# Altium PCB Booster_Main_Board.PcbDoc (part 3 of 11) (continued)
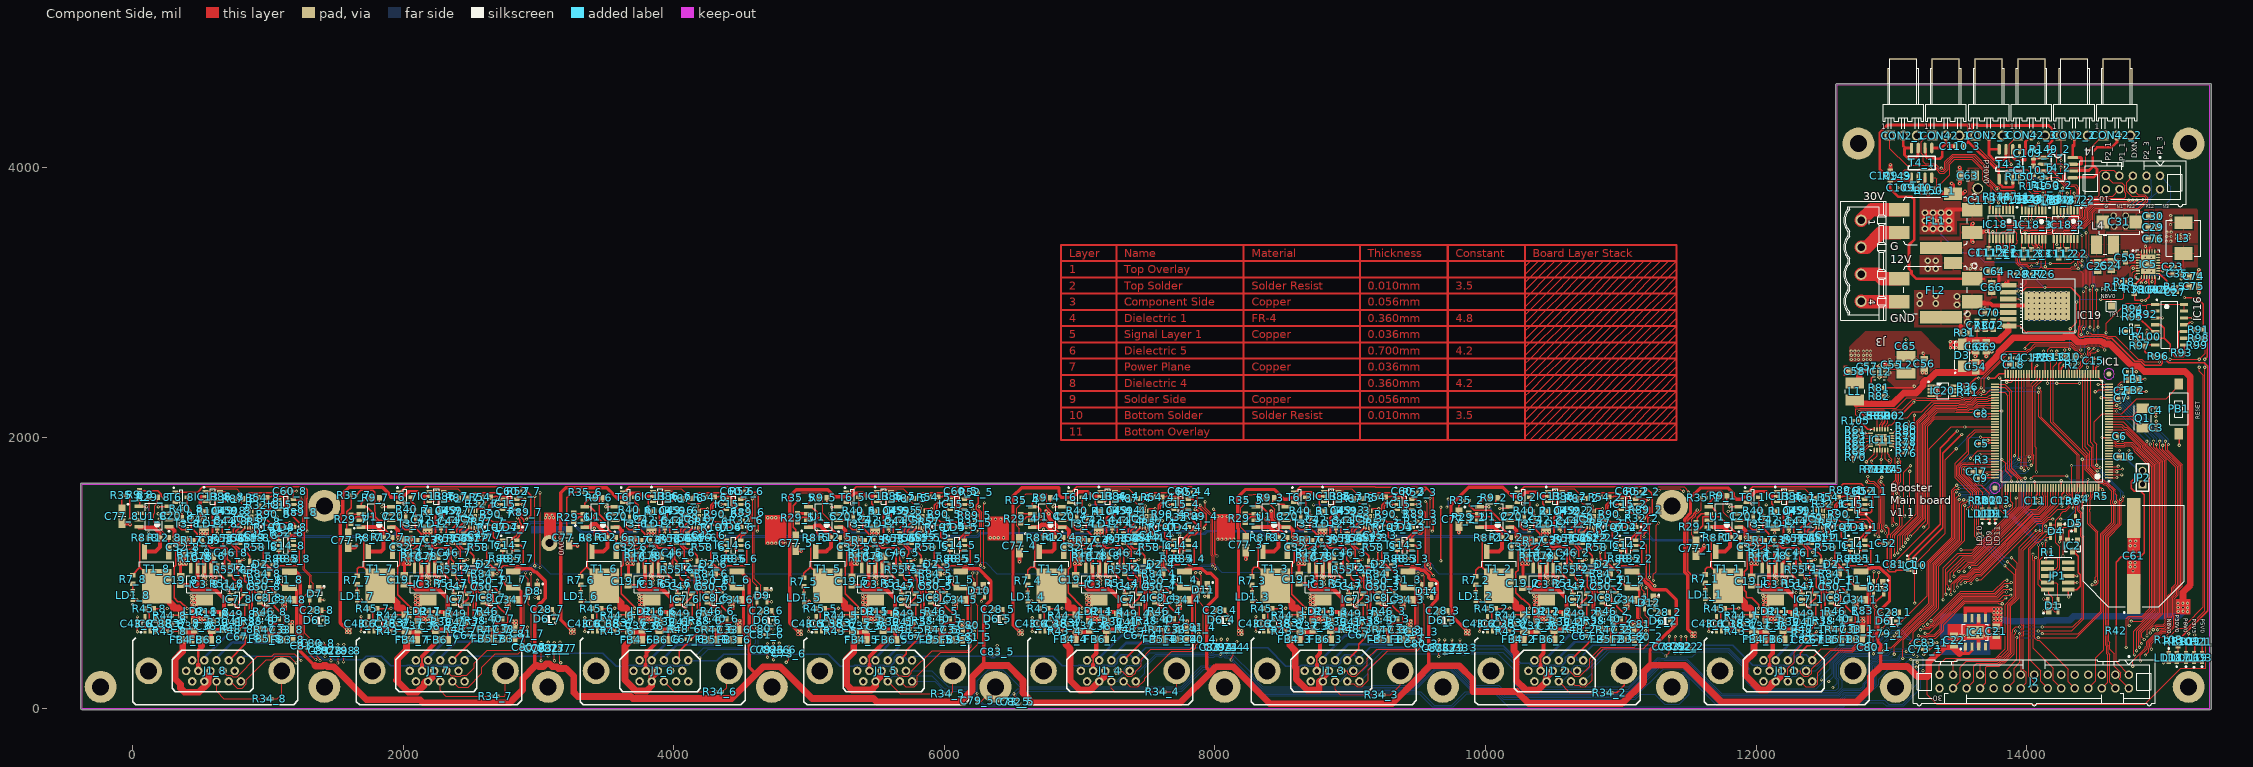
[diagram p0: Component Side view]
## Part data (continued)
LD1_1 LD1_2 LD1_3 LD1_4 LD1_5 LD1_6 LD1_7 LD1_8 LD2_1 LD2_2 LD2_3 LD2_4 LD2_5 LD2_6 LD2_7 LD2_8 LD3 LD12_1 LD12_2 LD12_3 LD12_4 LD12_5 LD12_6 LD12_7 LD12_8 LD16 LD17 LD18: library part LED_KINGBRIGHT_KPH-1608CGCK, "LED Green 1C 2A", Manufacturer=KINGBRIGHT, Manufacturer Part Number=KPH-1608CGCK, Author="CERN DEM JLC", Bonding=No, Color=Green, ComponentHeight=0.65mm, Component Type=Standard, CreateDate=03.07.2017, HelpURL=\\cern.ch\dfs\Applications\Altium\Datasheets\LED_KINGBRIGHT_KPH-1608CGCK.pdf, LatestRevisionDate=03.07.2017, Mounted=Yes, PackageDescription="SMT Green LED, Case 0603, Body L 1.6 x W 0.8mm H 0.65mm", Part Description="SMD Green LED, Case 1.6mmX0.8mm(0603), 0.65mm Thickness", Part Number=LED_KINGBRIGHT_KPH-1608CGCK, Pin Count=2, PressFit=No, Sense=No, SMD=Yes, Socket=No
LD4_1 LD4_2 LD4_3 LD4_4 LD4_5 LD4_6 LD4_7 LD4_8: library part LED_KINGBRIGHT_KPH-1608SURCK, "LED Red 1C 2A", Manufacturer=KINGBRIGHT, Manufacturer Part Number=KPH-1608SURCK, Author="CERN DEM JLC", Bonding=No, Color="Hyper Red", ComponentHeight=0.65mm, Component Type=Standard, CreateDate=03.07.2017, HelpURL=\\cern.ch\dfs\Applications\Altium\Datasheets\LED_KINGBRIGHT_KPH-1608SURCK.pdf, LatestRevisionDate=03.07.2017, Mounted=Yes, PackageDescription="SMT Hyper Red LED, Case 0603, Body L 1.6 x W 0.8mm H 0.65mm", Part Description="SMD Hyper Red LED, Case 1.6mmX0.8mm(0603), 0.65mm Thickness", Part Number=LED_KINGBRIGHT_KPH-1608SURCK, Pin Count=2, PressFit=No, Sense=No, SMD=Yes, Socket=No
LD9 LD10 LD11 LD19: library part "LED_OSRAM_LG L29K-G2J1-24-Z", "LED Green 1C 2A", Case=0603, Manufacturer=OSRAM, Manufacturer Part Number="LG L29K-G2J1-24-Z", Author="CERN DEM JLC", Bonding=No, Color=Green, ComponentHeight=0.67mm, Component Type=Standard, CreateDate=24.04.2012, HelpURL=\\cern.ch\dfs\Applications\Altium\Datasheets\LED_OSRAM_LGL29K.pdf, LatestRevisionDate=24.04.2012, Mounted=Yes, PackageDescription="Green Chip LED, 2-Leads, Body 1.7x0.8mm, IPC Medium Density", Part Description="Surface Mount Green LED (0603 Case)", Part Number="LED_OSRAM_LG L29K-G2J1-24-Z", Pin Count=2, PressFit=No, Sense=No, SMD=Yes, Socket=No
PB1: library part PB_TYCO_FSMSM, "Push-Button Switch SPDT", Manufacturer="TYCO ELECTRONICS", Manufacturer Part Number="FSMSM or 1437566-3", Author="CERN DEM JLC", ComponentHeight=4.3mm, Component Type=Standard, CreateDate=30.06.2008, Family="Push Button", HelpURL=\\cern.ch\dfs\Applications\Altium\Datasheets\PB_TYCO_FSMSM.pdf, LatestRevisionDate=21.06.2012, Mounted=Yes, PackageDescription="Body 3.5x6.0mm, Pushbutton Switch,  TYCO ALCOSWITCH FSMSM Serie", Part Description="12VDC 50mA SPST Tactile  Push-Button Switch", Part Number=PB_TYCO_FSMSM, Pin Count=2, PressFit=No, Sense=No, SMD=Yes, Socket=No, Status=None
Q1: library part XTAL_8MHZ_TXC_7A-8.000MAAE-T, "Quartz Crystal", Manufacturer="TXC CORPORATION", Manufacturer Part Number=7A-8.000MAAE-T, Author="CERN DEM JLC", Bonding=No, ComponentHeight=1.2mm, Component Type=Standard, CreateDate=09.10.2014, HelpURL=\\cern.ch\dfs\Applications\Altium\Datasheets\XTAL_TXC_7A.pdf, LatestRevisionDate=12.11.2014, Mounted=Yes, PackageDescription="2 Pins, 3.2x5mm, SMD Glass Seam Sealing Crystal, 7A Serie", Part Description="Tolerance: ±30ppm, Stability: ±30ppm, -20°C to +70°C, 12pF, SMD Glass Seam Sealing Crystal, 7A Series", Part Number=XTAL_8MHZ_TXC_7A-8.000MAAE-T, Pin Count=2, PressFit=No, Sense=No, SMD=Yes, Socket=No
R1 R2 R3 R4 R6 R11_1 R11_2 R11_3 R11_4 R11_5 R11_6 R11_7 R11_8 R15 R21 R22 R23 R24 R25 R32_1 R32_2 R32_3 R32_4 R32_5 R32_6 R32_7 R32_8 R34_1 R34_2 R34_3 R34_4 R34_5 R34_6 R34_7 R34_8 R36 R40_1 R40_2 R40_3 R40_4 R40_5 R40_6 R40_7 R40_8 R41 R50_1 R50_2 R50_3 R50_4 R50_5 R50_6 R50_7 R50_8 R51_1 R51_2 R51_3 R51_4 R51_5 R51_6 R51_7 R51_8 R52_1 R52_2 R52_3 R52_4 R52_5 R52_6 R52_7 R52_8 R57_1 R57_2 R57_3 R57_4 R57_5 R57_6 R57_7 R57_8 R59_1 R59_2 R59_3 R59_4 R59_5 R59_6 R59_7 R59_8 R85_1 R85_2 R85_3 R85_4 R85_5 R85_6 R85_7 R85_8 R86_1 R86_2 R86_3 R86_4 R86_5 R86_6 R86_7 R86_8 R88_1 R88_2 R88_3 R88_4 R88_5 R88_6 R88_7 R88_8 R89_1 R89_2 R89_3 R89_4 R89_5 R89_6 R89_7 R89_8 R92 R93 R104_1 R104_2 R104_3 R104_4 R104_5 R104_6 R104_7 R104_8 R105 R108 R109 R111 R112 R113 R147_1 R147_2 R147_3 R148_1 R148_2 R148_3 R149_1 R149_2 R149_3 R150_1 R150_2 R150_3: library part R0402_10K_1%_0.0625W_100PPM, "Resistor - 1%", Case=0402, Manufacturer=GENERIC, Manufacturer1 ComponentHeight=0.4mm, Manufacturer1 Example="YAGEO PHYCOMP", Manufacturer1 Part Number=232270671003L, Power=0.0625W, Tolerance=±1%, Author="CERN DEM JLC", Component Type=Standard, HelpURL=\\cern.ch\dfs\Applications\Altium\Datasheets\R0402_Phycomp_RC0402.pdf, Manufacturer Part Number=R0402_10K_1%_0.0625W_100PPM, Mounted=Yes, Part Description="General Purpose Thick Film Chip Resistor", Part Number=R0402_10K_1%_0.0625W_100PPM, Pin Count=2, SMD=Yes, Socket=No, TC=±100ppm/°C
  R1 R2 R3 R4 R6 R11_1 R11_2 R11_3 R11_4 R11_5 R11_6 R11_7 R11_8 R21 R22 R23 R24 R25 R32_1 R32_2 R32_3 R32_4 R32_5 R32_6 R32_7 R32_8 R34_1 R34_2 R34_3 R34_4 R34_5 R34_6 R34_7 R34_8 R36 R40_1 R40_2 R40_3 R40_4 R40_5 R40_6 R40_7 R40_8 R41 R50_1 R50_2 R50_3 R50_4 R50_5 R50_6 R50_7 R50_8 R51_1 R51_2 R51_3 R51_4 R51_5 R51_6 R51_7 R51_8 R52_1 R52_2 R52_3 R52_4 R52_5 R52_6 R52_7 R52_8 R57_1 R57_2 R57_3 R57_4 R57_5 R57_6 R57_7 R57_8 R59_1 R59_2 R59_3 R59_4 R59_5 R59_6 R59_7 R59_8 R85_1 R85_2 R85_3 R85_4 R85_5 R85_6 R85_7 R85_8 R86_1 R86_2 R86_3 R86_4 R86_5 R86_6 R86_7 R86_8 R88_1 R88_2 R88_3 R88_4 R88_5 R88_6 R88_7 R88_8 R89_1 R89_2 R89_3 R89_4 R89_5 R89_6 R89_7 R89_8 R92 R93 R104_1 R104_2 R104_3 R104_4 R104_5 R104_6 R104_7 R104_8 R105 R108 R109 R112 R113 R147_1 R147_2 R147_3 R148_1 R148_2 R148_3 R149_1 R149_2 R149_3 R150_1 R150_2 R150_3: CreateDate=2007-12-03, LatestRevisionDate=2012-10-17, Status="Not recommended", Table="Resistors SMD"
  R15: CreateDate=03.12.2007, LatestRevisionDate=17.10.2012, Sense=No, Status="Not recommended"
  R111: CreateDate=03.12.2007, LatestRevisionDate=17.10.2012, PressFit=No, Sense=No, Status="Not Recommended"
R5 R42: library part R0402_49R9_1%_0.0625W_100PPM, "Resistor - 1%", Case=0402, Manufacturer=GENERIC, Manufacturer1 ComponentHeight=0.4mm, Manufacturer1 Example="YAGEO PHYCOMP", Manufacturer1 Part Number="232270674999L or RC0402FR-0749R9L", Power=0.0625W, Tolerance=±1%, Author="CERN DEM JLC", Component Type=Standard, CreateDate=2012-10-24, HelpURL=\\cern.ch\dfs\Applications\Altium\Datasheets\R0402_Phycomp_RC0402.pdf, LatestRevisionDate=2012-10-24, Manufacturer Part Number=R0402_49R9_1%_0.0625W_100PPM, Mounted=Yes, Part Description="General Purpose Thick Film Chip Resistor", Part Number=R0402_49R9_1%_0.0625W_100PPM, Pin Count=2, SMD=Yes, Socket=No, Status="Not recommended", Table="Resistors SMD", TC=±100ppm/°C
R7_1 R7_2 R7_3 R7_4 R7_5 R7_6 R7_7 R7_8 R12_1 R12_2 R12_3 R12_4 R12_5 R12_6 R12_7 R12_8 R17_1 R17_2 R17_3 R17_4 R17_5 R17_6 R17_7 R17_8 R91 R110: library part R0603_56K_1%_0.1W_100PPM, "Resistor - 1%", Case=0603, Manufacturer=GENERIC, Manufacturer1 ComponentHeight=0.55mm, Manufacturer1 Example="NIC COMPONENT", Manufacturer1 Part Number=NRC06F5602TRF, Power=0.1W, Tolerance=±1%, Author="CERN DEM JLC", Component Type=Standard, CreateDate=03.12.2007, HelpURL=\\cern.ch\dfs\Applications\Altium\Datasheets\R0603_NIC_NRC.pdf, LatestRevisionDate=13.03.2008, Manufacturer Part Number=R0603_56K_1%_0.1W_100PPM, Mounted=Yes, Part Description="General Purpose Thick Film Chip Resistor", Part Number=R0603_56K_1%_0.1W_100PPM, Pin Count=2, Sense=No, SMD=Yes, Socket=No, Status=Preferred, TC=±100ppm/°C
R8_1 R8_2 R8_3 R8_4 R8_5 R8_6 R8_7 R8_8: library part R0603_16K_1%_0.1W_100PPM, "Resistor - 1%", Case=0603, Manufacturer=GENERIC, Manufacturer1 ComponentHeight=0.55mm, Manufacturer1 Example="NIC COMPONENT", Manufacturer1 Part Number=NRC06F1602TRF, Power=0.1W, Tolerance=±1%, Author="CERN DEM JLC", Component Type=Standard, CreateDate=03.12.2007, HelpURL=\\cern.ch\dfs\Applications\Altium\Datasheets\R0603_NIC_NRC.pdf, LatestRevisionDate=13.03.2008, Manufacturer Part Number=R0603_16K_1%_0.1W_100PPM, Mounted=Yes, Part Description="General Purpose Thick Film Chip Resistor", Part Number=R0603_16K_1%_0.1W_100PPM, Pin Count=2, Sense=No, SMD=Yes, Socket=No, Status=Preferred, TC=±100ppm/°C
R9_1 R9_2 R9_3 R9_4 R9_5 R9_6 R9_7 R9_8 R29_1 R29_2 R29_3 R29_4 R29_5 R29_6 R29_7 R29_8: library part R0603_1K5_1%_0.1W_100PPM, "Resistor - 1%", Case=0603, Manufacturer=GENERIC, Manufacturer1 ComponentHeight=0.55mm, Manufacturer1 Example="NIC COMPONENT", Manufacturer1 Part Number=NRC06F1501TRF, Power=0.1W, Tolerance=±1%, Author="CERN DEM JLC", Component Type=Standard, CreateDate=03.12.2007, HelpURL=\\cern.ch\dfs\Applications\Altium\Datasheets\R0603_NIC_NRC.pdf, LatestRevisionDate=13.03.2008, Manufacturer Part Number=R0603_1K5_1%_0.1W_100PPM, Mounted=Yes, Part Description="General Purpose Thick Film Chip Resistor", Part Number=R0603_1K5_1%_0.1W_100PPM, Pin Count=2, Sense=No, SMD=Yes, Socket=No, Status=Preferred, TC=±100ppm/°C
R10_1 R10_2 R10_3 R10_4 R10_5 R10_6 R10_7 R10_8: library part R0402_47K_1%_0.0625W_100PPM, "Resistor - 1%", Case=0402, Manufacturer=GENERIC, Manufacturer1 ComponentHeight=0.4mm, Manufacturer1 Example="YAGEO PHYCOMP", Manufacturer1 Part Number=232270675103L, Power=0.0625W, Tolerance=±1%, Author="CERN DEM JLC", Component Type=Standard, CreateDate=03.12.2007, HelpURL=\\cern.ch\dfs\Applications\Altium\Datasheets\R0402_Phycomp_RC0402.pdf, LatestRevisionDate=17.10.2012, Manufacturer Part Number=R0402_47K_1%_0.0625W_100PPM, Mounted=Yes, Part Description="General Purpose Thick Film Chip Resistor", Part Number=R0402_47K_1%_0.0625W_100PPM, Pin Count=2, PressFit=No, Sense=No, SMD=Yes, Socket=No, Status="Not Recommended", TC=±100ppm/°C
R13_1 R13_2 R13_3 R13_4 R13_5 R13_6 R13_7 R13_8 R58_1 R58_2 R58_3 R58_4 R58_5 R58_6 R58_7 R58_8: library part R0402_15K_1%_0.0625W_100PPM, "Resistor - 1%", Case=0402, Manufacturer=GENERIC, Manufacturer1 ComponentHeight=0.4mm, Manufacturer1 Example=VISHAY, Manufacturer1 Part Number=CRCW040215K0FKED, Power=0.0625W, Tolerance=±1%, Author="CERN DEM JMW", Component Type=Standard, CreateDate=06.07.2015, HelpURL="\\cern.ch\dfs\Applications\Altium\Datasheets\R0402_VISHAY_CRCW e3.pdf", LatestRevisionDate=06.07.2015, Manufacturer Part Number=R0402_15K_1%_0.0625W_100PPM, Mounted=Yes, Part Description="General Purpose Thick Film Chip Resistor", Part Number=R0402_15K_1%_0.0625W_100PPM, Pin Count=2, PressFit=No, Sense=No, SMD=Yes, Socket=No, Status=None, TC=±100ppm/°C
R14 R18 R66 R67 R69 R83: library part R0402_0R_JUMPER, "Resistor", Case=0402, Manufacturer=GENERIC, Manufacturer1 ComponentHeight=0.4mm, Manufacturer1 Example="YAGEO PHYCOMP", Manufacturer1 Part Number=232270591001L, Author="CERN DEM JLC", Component Type=Standard, CreateDate=03.12.2007, HelpURL=\\cern.ch\dfs\Applications\Altium\Datasheets\R0402_Phycomp_RC0402.pdf, LatestRevisionDate=17.10.2012, Manufacturer Part Number=R0402_0R_JUMPER, Part Description="1A (0.05R Max DC Resistance) Zero Ohm Jumper", Part Number=R0402_0R_JUMPER, Pin Count=2, Sense=No, SMD=Yes, Socket=No, Status="Not recommended"
  R14 R18: Mounted=No
  R66 R67 R69 R83: Mounted=Yes
R16: library part R0402_1M_1%_0.0625W_100PPM, "Resistor - 1%", Case=0402, Manufacturer=GENERIC, Manufacturer1 ComponentHeight=0.4mm, Manufacturer1 Example="YAGEO PHYCOMP", Manufacturer1 Part Number=232270671005L, Power=0.0625W, Tolerance=±1%, Author="CERN DEM JLC", Component Type=Standard, CreateDate=03.12.2007, HelpURL=\\cern.ch\dfs\Applications\Altium\Datasheets\R0402_Phycomp_RC0402.pdf, LatestRevisionDate=17.10.2012, Manufacturer Part Number=R0402_1M_1%_0.0625W_100PPM, Mounted=Yes, Part Description="General Purpose Thick Film Chip Resistor", Part Number=R0402_1M_1%_0.0625W_100PPM, Pin Count=2, Sense=No, SMD=Yes, Socket=No, Status="Not recommended", TC=±100ppm/°C
R19 R27: library part R0402_51K_1%_0.0625W_100PPM, "Resistor - 1%", Case=0402, Manufacturer=GENERIC, Manufacturer1 ComponentHeight=0.4mm, Manufacturer1 Example="YAGEO PHYCOMP", Manufacturer1 Part Number=232270674703L, Power=0.0625W, Tolerance=±1%, Author="CERN DEM JLC", Component Type=Standard, CreateDate=03.12.2007, HelpURL=\\cern.ch\dfs\Applications\Altium\Datasheets\R0402_Phycomp_RC0402.pdf, LatestRevisionDate=17.10.2012, Manufacturer Part Number=R0402_51K_1%_0.0625W_100PPM, Mounted=Yes, Part Description="General Purpose Thick Film Chip Resistor", Part Number=R0402_51K_1%_0.0625W_100PPM, Pin Count=2, Sense=No, SMD=Yes, Socket=No, Status="Not recommended", TC=±100ppm/°C
R20 R26: library part R0402_160K_1%_0.0625W_100PPM, "Resistor - 1%", Case=0402, Manufacturer=GENERIC, Manufacturer1 ComponentHeight=0.4mm, Manufacturer1 Example="YAGEO PHYCOMP", Manufacturer1 Part Number=232270671604L, Power=0.0625W, Tolerance=±1%, Author="CERN DEM JLC", Component Type=Standard, CreateDate=03.12.2007, HelpURL=\\cern.ch\dfs\Applications\Altium\Datasheets\R0402_Phycomp_RC0402.pdf, LatestRevisionDate=17.10.2012, Manufacturer Part Number=R0402_160K_1%_0.0625W_100PPM, Mounted=Yes, Part Description="General Purpose Thick Film Chip Resistor", Part Number=R0402_160K_1%_0.0625W_100PPM, Pin Count=2, PressFit=No, Sense=No, SMD=Yes, Socket=No, Status="Not Recommended", TC=±100ppm/°C
R28 R60 R61 R62 R63 R64 R65 R68 R70 R71 R72 R73 R74 R75 R76 R77 R78 R79 R80 R99 R100 R101 R102 R103: library part R0402_2K2_1%_0.0625W_100PPM, "Resistor - 1%", Case=0402, Manufacturer=GENERIC, Manufacturer1 ComponentHeight=0.4mm, Manufacturer1 Example="YAGEO PHYCOMP", Manufacturer1 Part Number=232270672202L, Power=0.0625W, Tolerance=±1%, Author="CERN DEM JLC", Component Type=Standard, CreateDate=03.12.2007, HelpURL=\\cern.ch\dfs\Applications\Altium\Datasheets\R0402_Phycomp_RC0402.pdf, LatestRevisionDate=17.10.2012, Manufacturer Part Number=R0402_2K2_1%_0.0625W_100PPM, Mounted=Yes, Part Description="General Purpose Thick Film Chip Resistor", Part Number=R0402_2K2_1%_0.0625W_100PPM, Pin Count=2, Sense=No, SMD=Yes, Socket=No, Status="Not recommended", TC=±100ppm/°C
R30 R87_1 R87_2 R87_3 R87_4 R87_5 R87_6 R87_7 R87_8: library part R0603_33K_1%_0.1W_100PPM, "Resistor - 1%", Case=0603, Manufacturer=GENERIC, Manufacturer1 ComponentHeight=0.55mm, Manufacturer1 Example="NIC COMPONENT", Manufacturer1 Part Number=NRC06F3302TRF, Power=0.1W, Tolerance=±1%, Author="CERN DEM JLC", Component Type=Standard, CreateDate=03.12.2007, HelpURL=\\cern.ch\dfs\Applications\Altium\Datasheets\R0603_NIC_NRC.pdf, LatestRevisionDate=13.03.2008, Manufacturer Part Number=R0603_33K_1%_0.1W_100PPM, Mounted=Yes, Part Description="General Purpose Thick Film Chip Resistor", Part Number=R0603_33K_1%_0.1W_100PPM, Pin Count=2, PressFit=No, Sense=No, SMD=Yes, Socket=No, Status=Preferred, TC=±100ppm/°C
R31: library part R0603_4K7_1%_0.1W_100PPM, "Resistor - 1%", Case=0603, Manufacturer=GENERIC, Manufacturer1 ComponentHeight=0.55mm, Manufacturer1 Example="NIC COMPONENT", Manufacturer1 Part Number=NRC06F4701TRF, Power=0.1W, Tolerance=±1%, Author="CERN DEM JLC", Component Type=Standard, CreateDate=03.12.2007, HelpURL=\\cern.ch\dfs\Applications\Altium\Datasheets\R0603_NIC_NRC.pdf, LatestRevisionDate=13.03.2008, Manufacturer Part Number=R0603_4K7_1%_0.1W_100PPM, Mounted=Yes, Part Description="General Purpose Thick Film Chip Resistor", Part Number=R0603_4K7_1%_0.1W_100PPM, Pin Count=2, PressFit=No, Sense=No, SMD=Yes, Socket=No, Status=Preferred, TC=±100ppm/°C
R33 R82: library part R0603_82K_1%_0.1W_100PPM, "Resistor - 1%", Case=0603, Manufacturer=GENERIC, Manufacturer1 ComponentHeight=0.55mm, Manufacturer1 Example="NIC COMPONENT", Manufacturer1 Part Number=NRC06F8202TRF, Power=0.1W, Tolerance=±1%, Author="CERN DEM JLC", Component Type=Standard, CreateDate=03.12.2007, HelpURL=\\cern.ch\dfs\Applications\Altium\Datasheets\R0603_NIC_NRC.pdf, LatestRevisionDate=13.03.2008, Manufacturer Part Number=R0603_82K_1%_0.1W_100PPM, Mounted=Yes, Part Description="General Purpose Thick Film Chip Resistor", Part Number=R0603_82K_1%_0.1W_100PPM, Pin Count=2, Sense=No, SMD=Yes, Socket=No, Status=Preferred, TC=±100ppm/°C
  R33: PressFit=No
R35_1 R35_2 R35_3 R35_4 R35_5 R35_6 R35_7 R35_8 R43_1 R43_2 R43_3 R43_4 R43_5 R43_6 R43_7 R43_8 R44_1 R44_2 R44_3 R44_4 R44_5 R44_6 R44_7 R44_8 R46_1 R46_2 R46_3 R46_4 R46_5 R46_6 R46_7 R46_8 R47_1 R47_2 R47_3 R47_4 R47_5 R47_6 R47_7 R47_8 R48_1 R48_2 R48_3 R48_4 R48_5 R48_6 R48_7 R48_8 R49_1 R49_2 R49_3 R49_4 R49_5 R49_6 R49_7 R49_8 R90_1 R90_2 R90_3 R90_4 R90_5 R90_6 R90_7 R90_8: library part R0402_82R_1%_0.0625W_100PPM, "Resistor - 1%", Case=0402, Manufacturer=GENERIC, Manufacturer1 ComponentHeight=0.4mm, Manufacturer1 Example="YAGEO PHYCOMP", Manufacturer1 Part Number=232270678209L, Power=0.0625W, Tolerance=±1%, Author="CERN DEM JLC", Component Type=Standard, CreateDate=03.12.2007, HelpURL=\\cern.ch\dfs\Applications\Altium\Datasheets\R0402_Phycomp_RC0402.pdf, LatestRevisionDate=17.10.2012, Manufacturer Part Number=R0402_82R_1%_0.0625W_100PPM, Mounted=Yes, Part Description="General Purpose Thick Film Chip Resistor", Part Number=R0402_82R_1%_0.0625W_100PPM, Pin Count=2, Sense=No, SMD=Yes, Socket=No, Status="Not recommended", TC=±100ppm/°C
R37_1 R37_2 R37_3 R37_4 R37_5 R37_6 R37_7 R37_8: library part R1206_0R02_1%_1W_150PPM, "Resistor - 1%", Case=1206, Manufacturer=PANASONIC, Manufacturer Part Number=ERJ8BWFR020V, Power=1W, Tolerance=±1%, Author="CERN DEM JLC", ComponentHeight=0.8mm, Component Type=Standard, CreateDate=03.09.2012, HelpURL=\\cern.ch\dfs\Applications\Altium\Datasheets\R1206_PANASONIC_ERJ8BW.pdf, LatestRevisionDate=03.09.2012, Mounted=Yes, Part Description="Low Value Thick Film Chip Resistor", Part Number=R1206_0R02_1%_1W_150PPM, Pin Count=2, Sense=No, SMD=Yes, Socket=No, Status="Not recommended", TC=±150ppm/°C
R38_1 R38_2 R38_3 R38_4 R38_5 R38_6 R38_7 R38_8: library part R1206_4R7_1%_0.25W_200PPM, "Resistor - 1%", Case=1206, Manufacturer=GENERIC, Manufacturer1 ComponentHeight=0.65mm, Manufacturer1 Example="YAGEO PHYCOMP", Manufacturer1 Part Number="232272464708L or RC1206FR-074R7L", Power=0.25W, Tolerance=±1%, Author="CERN DEM JLC", Component Type=Standard, CreateDate=03.12.2007, HelpURL=\\cern.ch\dfs\Applications\Altium\Datasheets\R1206_Phycomp_RC1206.pdf, LatestRevisionDate=17.10.2012, Manufacturer Part Number=R1206_4R7_1%_0.25W_200PPM, Mounted=Yes, Part Description="General Purpose Thick Film Chip Resistor", Part Number=R1206_4R7_1%_0.25W_200PPM, Pin Count=2, Sense=No, SMD=Yes, Socket=No, Status=Preferred, TC=±200ppm/°C
R39_1 R39_2 R39_3 R39_4 R39_5 R39_6 R39_7 R39_8: library part R1206_0R1_1%_0.25W_100PPM_YAGEO_PT, "Resistor - 1%", Case=1206, Manufacturer="YAGEO PHYCOMP", Manufacturer Part Number=PT1206FR-070R1L, Power=0.25W, Tolerance=±1%, Author="CERN DEM JMW", ComponentHeight=0.65mm, Component Type=Standard, CreateDate=06.07.2015, HelpURL=\\cern.ch\dfs\Applications\Altium\Datasheets\R1206_YAGEO_PT.pdf, LatestRevisionDate=06.07.2015, Mounted=Yes, Part Description="Current Sensor, Low TCR Chip Resistor", Part Number=R1206_0R1_1%_0.25W_100PPM_YAGEO_PT, Pin Count=2, Sense=No, SMD=Yes, Socket=No, Status=None, TC=±100ppm/°C
R45_1 R45_2 R45_3 R45_4 R45_5 R45_6 R45_7 R45_8 R53_1 R53_2 R53_3 R53_4 R53_5 R53_6 R53_7 R53_8 R54_1 R54_2 R54_3 R54_4 R54_5 R54_6 R54_7 R54_8 R55_1 R55_2 R55_3 R55_4 R55_5 R55_6 R55_7 R55_8 R56_1 R56_2 R56_3 R56_4 R56_5 R56_6 R56_7 R56_8 R84_1 R84_2 R84_3 R84_4 R84_5 R84_6 R84_7 R84_8 R107_1 R107_2 R107_3 R107_4 R107_5 R107_6 R107_7 R107_8: library part R0603_330R_1%_0.1W_100PPM, "Resistor - 1%", Case=0603, Manufacturer=GENERIC, Manufacturer1 ComponentHeight=0.55mm, Manufacturer1 Example="NIC COMPONENT", Manufacturer1 Part Number=NRC06F3300TRF, Power=0.1W, Tolerance=±1%, Author="CERN DEM JLC", Component Type=Standard, CreateDate=2007-12-03, HelpURL=\\cern.ch\dfs\Applications\Altium\Datasheets\R0603_NIC_NRC.pdf, LatestRevisionDate=2008-03-13, Manufacturer Part Number=R0603_330R_1%_0.1W_100PPM, Mounted=Yes, Part Description="General Purpose Thick Film Chip Resistor", Part Number=R0603_330R_1%_0.1W_100PPM, Pin Count=2, SMD=Yes, Socket=No, Status=Preferred, Table="Resistors SMD", TC=±100ppm/°C
R81: library part R0603_270K_1%_0.1W_100PPM, "Resistor - 1%", Case=0603, Manufacturer=GENERIC, Manufacturer1 ComponentHeight=0.55mm, Manufacturer1 Example="NIC COMPONENT", Manufacturer1 Part Number=NRC06F2703TRF, Power=0.1W, Tolerance=±1%, Author="CERN DEM JLC", Component Type=Standard, CreateDate=03.12.2007, HelpURL=\\cern.ch\dfs\Applications\Altium\Datasheets\R0603_NIC_NRC.pdf, LatestRevisionDate=13.03.2008, Manufacturer Part Number=R0603_270K_1%_0.1W_100PPM, Mounted=Yes, Part Description="General Purpose Thick Film Chip Resistor", Part Number=R0603_270K_1%_0.1W_100PPM, Pin Count=2, Sense=No, SMD=Yes, Socket=No, Status=Preferred, TC=±100ppm/°C
R94: library part R0603_18K_1%_0.1W_100PPM, "Resistor - 1%", Case=0603, Manufacturer=GENERIC, Manufacturer1 ComponentHeight=0.55mm, Manufacturer1 Example="NIC COMPONENT", Manufacturer1 Part Number=NRC06F1802TRF, Power=0.1W, Tolerance=±1%, Author="CERN DEM JLC", Component Type=Standard, CreateDate=03.12.2007, HelpURL=\\cern.ch\dfs\Applications\Altium\Datasheets\R0603_NIC_NRC.pdf, LatestRevisionDate=13.03.2008, Manufacturer Part Number=R0603_18K_1%_0.1W_100PPM, Mounted=Yes, Part Description="General Purpose Thick Film Chip Resistor", Part Number=R0603_18K_1%_0.1W_100PPM, Pin Count=2, Sense=No, SMD=Yes, Socket=No, Status=Preferred, TC=±100ppm/°C
R95: library part R0603_13K_1%_0.1W_100PPM, "Resistor - 1%", Case=0603, Manufacturer=GENERIC, Manufacturer1 ComponentHeight=0.55mm, Manufacturer1 Example="NIC COMPONENT", Manufacturer1 Part Number=NRC06F1302TRF, Power=0.1W, Tolerance=±1%, Author="CERN DEM JLC", Component Type=Standard, CreateDate=03.12.2007, HelpURL=\\cern.ch\dfs\Applications\Altium\Datasheets\R0603_NIC_NRC.pdf, LatestRevisionDate=13.03.2008, Manufacturer Part Number=R0603_13K_1%_0.1W_100PPM, Mounted=Yes, Part Description="General Purpose Thick Film Chip Resistor", Part Number=R0603_13K_1%_0.1W_100PPM, Pin Count=2, Sense=No, SMD=Yes, Socket=No, Status=Preferred, TC=±100ppm/°C
R96: library part R0603_20K_1%_0.1W_100PPM, "Resistor - 1%", Case=0603, Manufacturer=GENERIC, Manufacturer1 ComponentHeight=0.55mm, Manufacturer1 Example="NIC COMPONENT", Manufacturer1 Part Number=NRC06F2002TRF, Power=0.1W, Tolerance=±1%, Author="CERN DEM JLC", Component Type=Standard, CreateDate=03.12.2007, HelpURL=\\cern.ch\dfs\Applications\Altium\Datasheets\R0603_NIC_NRC.pdf, LatestRevisionDate=13.03.2008, Manufacturer Part Number=R0603_20K_1%_0.1W_100PPM, Mounted=Yes, Part Description="General Purpose Thick Film Chip Resistor", Part Number=R0603_20K_1%_0.1W_100PPM, Pin Count=2, Sense=No, SMD=Yes, Socket=No, Status=Preferred, TC=±100ppm/°C
R97: library part R0603_1K_1%_0.1W_100PPM, "Resistor - 1%", Case=0603, Manufacturer=GENERIC, Manufacturer1 ComponentHeight=0.55mm, Manufacturer1 Example="NIC COMPONENT", Manufacturer1 Part Number=NRC06F1001TRF, Power=0.1W, Tolerance=±1%, Author="CERN DEM JLC", Component Type=Standard, CreateDate=03.12.2007, HelpURL=\\cern.ch\dfs\Applications\Altium\Datasheets\R0603_NIC_NRC.pdf, LatestRevisionDate=13.03.2008, Manufacturer Part Number=R0603_1K_1%_0.1W_100PPM, Mounted=Yes, Part Description="General Purpose Thick Film Chip Resistor", Part Number=R0603_1K_1%_0.1W_100PPM, Pin Count=2, Sense=No, SMD=Yes, Socket=No, Status=Preferred, TC=±100ppm/°C
R98: library part R0603_7K5_0.1%_0.063W_10PPM, "Resistor - 0.1%", Case=0603, Manufacturer=GENERIC, Manufacturer1 ComponentHeight=0.5mm, Manufacturer1 Example="TYCO HOLSWORTHY", Manufacturer1 Part Number=RN73C1J7K5BTDF, Power=0.063W, Tolerance=±0.1%, Author="CERN DEM JLC", Component Type=Standard, CreateDate=03.12.2007, HelpURL=\\cern.ch\dfs\Applications\Altium\Datasheets\R0603_Tyco_RN73.pdf, LatestRevisionDate=13.03.2008, Manufacturer Part Number=R0603_7K5_0.1%_0.063W_10PPM, Mounted=Yes, Part Description="Thin Film Chip Resistor", Part Number=R0603_7K5_0.1%_0.063W_10PPM, Pin Count=2, Sense=No, SMD=Yes, Socket=No, Status="Not recommended", TC=±10ppm
T1_1 T1_2 T1_3 T1_4 T1_5 T1_6 T1_7 T1_8: "PNP Transistor", Case=DPAK, Manufacturer="ON SEMICONDUCTOR", Author="CERN DEM JLC", Bonding=No, ComponentHeight=2.38mm, Component Type=Standard, CreateDate=28.11.2012, Device=MJD2955G, HelpURL=\\cern.ch\dfs\Applications\Altium\Datasheets\MJD2955G.pdf, LatestRevisionDate=28.11.2012, Manufacturer Part Number=MJD2955G, Mounted=Yes, PackageDescription="TO-252AA DPAK TO, 2.28mm pitch; 2 pin,9.905mm L X 6.095mm W X 2.39mm H body, IPC Medium Density", Part Description="60V 10A 20W PNP Power Transistor", Part Number=MJD2955G, Pin Count=3, PressFit=No, Sense=No, SMD=Yes, Socket=No
T2_1 T2_2 T2_3 T2_4 T2_5 T2_6 T2_7 T2_8 T3_1 T3_2 T3_3 T3_4 T3_5 T3_6 T3_7 T3_8 T6_1 T6_2 T6_3 T6_4 T6_5 T6_6 T6_7 T6_8: "N-CHANNEL MOSFET WITH DIODE", Case=SOT23-3, Manufacturer="ON SEMICONDUCTOR", Author="CERN DEM JLC", Bonding=No, ComponentHeight=1.11mm, Component Type=Standard, CreateDate=2009-03-23, Device=BSS138LT1G, HelpURL=\\cern.ch\dfs\Applications\Altium\Datasheets\BSS138LT1G.pdf, LatestRevisionDate=2009-03-23, Manufacturer Part Number=BSS138LT1G, Mounted=Yes, PackageDescription="SOT23 3-Leads, Pitch 0.95mm - Body 1.4x3mm, IPC Medium Density", Part Description="50V 200mA N-Channel Enhancement Mode Field-Effect Transistor", Part Number=BSS138LT1G, Pin Count=3, PressFit=No, SMD=Yes, Socket=No, Table=Transistors
T4_1 T4_2 T4_3: library part Q_IRF7304, "dual PMOS   20V 4,3A 2,0W 0,09R"
TP1: library part SMD_PAD_1.27X1.27MM, Author="CERN DEM JLC", ComponentHeight=0mm, Component Type="Standard (No BOM)", CreateDate=12.01.2008, Family="Test Point", HelpURL=Undefined, LatestRevisionDate=12.01.2008, Mounted=No, PackageDescription="1.27mm x 1.27mm PCB Copper Area (SMD Test Point)", Part Description="1.27mm x 1.27mm PCB Copper Area (SMD Test Point)", Part Number=SMD_PAD_1.27X1.27MM, Pin Count=1, Sense=No, SMD=Yes, Socket=No, Status=None
U1_1 U1_2 U1_3 U1_4 U1_5 U1_6 U1_7 U1_8: library part CMP-0322-00047-2, "High Efficiency Regulator Controller, 2 % Tolerance, 6 to 40 V, 0 to 70 degC, 8-pin SOIC (D), Green (RoHS & no Sb/Br)", Manufacturer="Texas Instruments", Tolerance(%)=2, Code_JEDEC=MS-012AA, ComponentLink1Description=Datasheet, ComponentLink1URL=http://www.ti.com/general/docs/lit/getliterature.tsp?genericPartNumber=UC3836&fileType=pdf, DatasheetVersion=SLUS383, Iq(Typ)(mA)=3.7, Mounting Technology="Surface Mount", PackageDescription="8-Pin Plastic Small Outline Integrated Circuit, 4.9 x 3.9 mm, Pitch 1.27 mm Pitch", PackageReference=D0008A, PackageVersion="revM, Jun-2011", PartNumber=UC3836D, SubFamily="LDO Controller", Vin(Max)(V)=40, Vin(Min)(V)=6, Vout Adj(Max)(V)=35, Vout Adj(Min)(V)=2.5

## Free pads (board coordinates)
  round 236.22 hole 125.98: 0(1417.32,1496.06) 1(-236.22,157.48) 1(1417.32,157.48) 1(3070.87,157.48) 1(6377.95,157.48) 1(9685.04,157.48) 1(13031.5,157.48) 2(4724.41,157.48) 3(8070.87,157.48) 4(11377.95,157.48) 5(15196.85,157.48) 6(15196.85,4173.23) 7(12755.91,4173.23) 8(11377.95,1496.06)
  round 118.11 hole 59.06: 9(3080.71,1220.47)
  round 78.74 hole 59.06: 12(13638.73,3841.58)

## Via types
v1: diameter 23.62, hole 11.81, Component Side to Solder Side, tented both sides, 1910 vias
v2: diameter 50, hole 28, Component Side to Solder Side, tented both sides, 24 vias
v3: diameter 23.62, hole 11.81, Component Side to Solder Side, 10 vias
v4: diameter 47.24, hole 31.5, Component Side to Solder Side, 5 vias

## Nets (pads, with @x,y where several pads share a name; then routed paths per layer and width w, separated by ;. In a path a pad name is that pad's centre, name@x,y a point inside that pad or via, vN(x,y) a via of type N, cw(c..) or ccw(c..) an arc to the next point about the centre after c; other vN are vias at no path point)
ADC_IN0: C73_8.1 IC1.34 J1_8.5 | length 17525.9
  Component Side w6: v1(1517,334) 1518,335 C73_8.1@1518,407.28 ; v1(14507,2339) 14518.62,2339 14531.81,2352.19 14605.33,2352.19 IC1.34@14607.26,2354.12 ; v1(14784,310) 14784,351.57 14877.19,444.76 14877.19,453.56 14886,462.37 14886,492.59 14952.6,559.19 14976.05,559.19 14996.96,580.1 15022.11,580.1 15061,619 15061,669.36 15055,675.36 15055,824.64 15084,853.64 15084,885.99 15114.36,916.36 15114.36,1785.34 14983,1916.71 v1(14983,1974)
  Signal Layer 1 w6: J1_8.5@780.71,196.5 960.51,196.5 1013.98,143.02 1156.67,143.02 1298.24,284.59 1467.59,284.59 v1(1517,334) 1520.6,334 1736.6,118 2538,118 2542,122 2642.12,122 2753.15,10.97 3187.94,10.97 3257.98,81 4604.16,81 4666.79,18.37 4782.03,18.37 4821.66,58 6157.06,58 6204.09,10.97 6475.4,10.97 6522.43,58 7990.59,58 8018.22,30.37 8123.52,30.37 8136.15,43 9483.99,43 9516.03,10.97 11029.59,10.97 11214.92,196.3 11214.92,196.92 11302.59,284.59 11433.42,284.59 11660.01,58 12489.97,58 12517.97,86 12798.22,86 12865.85,18.37 13171.34,18.37 13314.62,161.65 13314.62,263.62 13345.19,294.19 14768.19,294.19 v1(14784,310)
  Solder Side w6: v1(14507,2339) 14545,2339 14614.81,2269.19 14663.62,2269.19 14674.24,2279.81 14696.62,2279.81 14983,1993.43 v1(14983,1974)
ADC_IN1: C79_8.1 IC1.35 J1_8.10 | length 18419.2
  Component Side w6: v1(1559,342) 1560,343 C79_8.1@1560,407.28 ; v1(14559,2373) 14559.8,2373.8 IC1.35@14607.26,2373.8 ; v1(14840,349) 14840,390.6 14889.19,439.79 14889.19,448.59 14898,457.4 14898,487.62 14957.57,547.19 14981.02,547.19 15001.94,568.1 15027.08,568.1 15073,614.03 15073,674.33 15067,680.33 15067,819.67 15096,848.67 15096,881.02 15126.36,911.39 15126.36,1790.31 15005,1911.68 v1(15005,1944)
  Signal Layer 1 w6: J1_8.10@755.16,274.45 916.5,274.45 1023.92,167.02 1146.73,167.02 1297.71,318 1404.57,318 1457.38,370.81 1474.62,370.81 1478.62,366.81 1530.59,366.81 v1@1549.81,347.59 ; v1@1556.22,339.22 1752.96,142.49 2382.71,142.49 2386.22,146 2652.06,146 2714.06,84 2915.94,84 2943.76,111.81 2943.76,210.13 3018.22,284.59 3123.52,284.59 3303.11,105 4475.51,105 4576.75,206.24 4576.75,212.72 4659.37,295.34 4659.53,295.19 4703.5,295.19 4709.5,289.19 4766.5,289.19 4773.9,296.59 4794.07,296.59 4807.47,283.19 4815.99,283.19 5017.18,82 6134,82 6242.22,190.22 6242.22,201.51 6325.3,284.59 6430.6,284.59 6521,194.19 6521,128.43 6534.81,114.62 6534.81,94.19 6547,82 7759.59,82 7883.83,206.24 7883.83,235.98 7959.85,312 8066.37,312 8079.18,299.19 8142.53,299.19 8148.06,304.71 8158.29,304.71 8218,245 8218,206.77 8344.77,80 9487.78,80 9557.93,150.15 9557.93,210.13 9632.39,284.59 9737.69,284.59 9942.28,80 11064.68,80 11190.92,206.24 11190.92,206.86 11292.65,308.59 11443.36,308.59 11666.95,85 12470.57,85 12558.38,172.81 12590.31,172.81 12664.93,98.19 12803,98.19 12870.82,30.37 13166.37,30.37 13302.62,166.62 13302.62,268.59 13340.22,306.19 14750.76,306.19 14775.38,330.81 14812.24,330.81 14830.43,349 v1(14840,349)
  Solder Side w6: v1(14559,2373) 14594,2338 14655.4,2338 15004.19,1989.21 15004.19,1944.81 v1(15005,1944)
ADC_IN2: C73_7.1 IC1.36 J1_7.5 | length 16681.7
  Component Side w6: v1@3158,336 C73_7.1@3158,425.28 ; v1(14528.49,2393.49) 14550.06,2393.49 14550.38,2393.81 14606.94,2393.81 IC1.36@14607.26,2393.49 ; v1(14877,392) 14901.19,416.19 14901.19,443.62 14910,452.43 14910,482.65 14962.54,535.19 14985.99,535.19 15006.91,556.1 15032.05,556.1 15085,609.06 15085,679.3 15079,685.3 15079,814.7 15108,843.7 15108,876.05 15138.36,906.42 15138.36,1795.28 15025.81,1907.84 15025.81,1972.19 v1(15025,1973)
  Signal Layer 1 w6: J1_7.5@2453.62,197.64 2617.39,197.64 2719.03,96 2910.97,96 2931.76,116.79 2931.76,215.1 3013.24,296.59 3097.59,296.59 3137,336 v1(3165,336) 3184.7,316.3 3184.7,240.38 3308.08,117 4470.54,117 4564.75,211.21 4564.75,217.69 4655.65,308.59 4663.1,308.59 4664.5,307.19 4708.47,307.19 4714.47,301.19 4761.53,301.19 4768.93,308.59 4799.04,308.59 4812.44,295.19 4820.96,295.19 5022.15,94 6129.03,94 6230.22,195.19 6230.22,220.94 6305.87,296.59 6435.57,296.59 6533,199.16 6533,161 6600,94 7754.62,94 7871.83,211.21 7871.83,240.95 7954.88,324 8071.34,324 8084.15,311.19 8137.56,311.19 8146.24,319.87 8146.53,319.87 8150.66,324 8157,324 8230,251 8230,211.74 8349.74,92 9482.8,92 9545.93,155.12 9545.93,215.1 9627.42,296.59 9742.66,296.59 9947.25,92 11059.71,92 11178.92,211.21 11178.92,211.83 11287.68,320.59 11448.33,320.59 11671.92,97 12465.6,97 12553.41,184.81 12595.28,184.81 12669.9,110.19 12860.19,110.19 12904.39,154.39 12904.39,210.13 12978.85,284.59 13119.61,284.59 13189.01,215.18 13256.18,215.18 13290.62,249.62 13290.62,273.56 13335.25,318.19 14745.79,318.19 14770.41,342.81 14804.38,342.81 14831.38,369.81 14854.81,369.81 v1(14877,392)
  Solder Side w6: v1(14528.49,2393.49) 14528.81,2393.81 14567.62,2393.81 14579.81,2381.62 14579.81,2379.19 14609,2350 14660.57,2350 14660.57,2349.8 15025,1985.37 v1(15025,1973)
ADC_IN3: C79_7.1 IC1.37 J1_7.10 | length 16736.1
  Component Side w6: v1(3019,350) 3020,351 C79_7.1@3020,423.28 ; IC1.37@14530.49,2470.26 14530.49,2443.51 v1(14557,2417) ; v1(14922,435) 14922,477.68 14967.51,523.19 15013.56,523.19 15034.47,544.1 15037.02,544.1 15097,604.09 15097,684.27 15091,690.27 15091,809.73 15120,838.73 15120,871.08 15150.36,901.45 15150.36,1800.25 15044,1906.62 15044,1945 v1(15047,1948)
  Signal Layer 1 w6: J1_7.10@2408.7,275.59 2479.33,275.59 2525.16,321.42 2575.29,321.42 2648.28,248.43 2648.28,206.05 2710.17,144.17 2826.88,144.17 2906,223.29 2906,223.97 3002.62,320.59 3002.62,333.62 v1(3019,350) 3089.57,350 3097.19,357.62 3097.19,359.62 3109.38,371.81 3175.59,371.81 3208.7,338.71 3208.7,250.32 3314.85,144.17 4463.76,144.17 4540.75,221.15 4540.75,227.63 4645.71,332.59 4673.04,332.59 4674.44,331.19 4711.56,331.19 4712.96,332.59 4717.01,332.59 4724.41,325.19 4751.59,325.19 4758.99,332.59 4808.98,332.59 4822.38,319.19 4830.9,319.19 5032.09,118 6119.09,118 6206.22,205.13 6206.22,230.88 6295.93,320.59 6445.52,320.59 6557,209.11 6557,175.16 6614.16,118 7744.68,118 7847.83,221.15 7847.83,250.89 7944.94,348 8081.28,348 8094.09,335.19 8127.62,335.19 8136.3,343.87 8136.59,343.87 8140.72,348 8169,348 8254,263 8254,221.68 8358.68,117 9414.12,117 9521.93,224.8 9521.93,225.04 9617.48,320.59 9752.6,320.59 9956.19,117 11050.77,117 11154.92,221.15 11154.92,221.77 11277.74,344.59 11458.27,344.59 11681.86,121 12445.8,121 12515.19,190.39 12515.19,206.62 12527.38,218.81 12578.25,218.81 12674.87,122.19 12855.22,122.19 12892.39,159.36 12892.39,215.1 12973.87,296.59 13126.38,296.59 13195.79,227.18 13204.27,227.18 13208.28,231.19 13255.22,231.19 13278.62,254.59 13278.62,278.53 13330.28,330.19 14740.82,330.19 14765.44,354.81 14799.41,354.81 14857.41,412.81 14899.81,412.81 v1(14922,435)
  Solder Side w6: v1(14557,2417) 14567,2417 14617,2367 14663,2367 14711,2319 14750.43,2319 14766.81,2302.62 14766.81,2267.19 15045.81,1988.19 15045.81,1949.19 v1(15047,1948)
ADC_IN4: C73_6.1 IC1.18 J1_6.5 | length 13983.5
  Component Side w6: v1(4831,340) 4850,359 C73_6.1@4850,386.28 ; IC1.18@14607.26,2039.16 14723.84,2039.16 14832.19,1930.81 14832.19,1914.78 14947,1799.97 14947,723.25 14791.19,567.44 14791.19,399.81 v1(14797,394)
  Signal Layer 1 w6: J1_6.5@4107.17,197.64 4157.35,197.64 4198.82,156.17 4458.79,156.17 4528.75,226.12 4528.75,232.6 4640.74,344.59 4678.01,344.59 4679.41,343.19 4706.59,343.19 4707.99,344.59 4721.98,344.59 4729.38,337.19 4746.62,337.19 4754.02,344.59 v1@4822.47,344.59 ; v1@4829.03,338.03 5037.06,130 6114.12,130 6194.22,210.1 6194.22,295.85 6230.96,332.59 6450.49,332.59 6569,214.08 6569,180.14 6619.14,130 7739.71,130 7835.83,226.12 7835.83,255.86 7958.16,378.19 7992.56,378.19 7999.86,385.49 8007.11,385.49 8026.41,366.19 8053.59,366.19 8058.59,371.19 8103.56,371.19 8109.18,376.81 8128.3,376.81 8145.11,360 8176,360 8266,270 8266,226.65 8363.65,129 9409.15,129 9509.93,229.77 9509.93,230.01 9612.51,332.59 9757.57,332.59 9961.16,129 11045.8,129 11142.92,226.12 11142.92,226.74 11272.77,356.59 11463.24,356.59 11686.69,133.14 12440.97,133.14 12503.19,195.36 12503.19,211.59 12522.41,230.81 12583.22,230.81 12657.86,156.17 12859.17,156.17 12880.39,177.39 12880.39,220.07 12968.9,308.59 13131.35,308.59 13139.75,300.19 13140.78,300.19 13200.54,240.43 13203.31,243.19 13250.25,243.19 13266.62,259.56 13266.62,283.5 13325.31,342.19 14735.85,342.19 14787.66,394 v1(14797,394)
ADC_IN5: C79_6.1 IC1.19 J1_6.10 | length 14051.4
  Component Side w6: v1@4692,376 C79_6.1@4692,414.28 ; v1@4693,369 v1(4693,376) ; IC1.19@14607.26,2058.84 14699.37,2058.84 14707.05,2051.16 14728.81,2051.16 14844.19,1935.78 14844.19,1919.75 14959,1804.94 14959,718.28 14812,571.28 v1(14812,425)
  Signal Layer 1 w6: J1_6.10@4062.24,275.59 4239.97,275.59 4347.39,383.02 4453.82,383.02 4505.84,331 4593.21,331 4630.8,368.59 4685.59,368.59 v1(4693,376) 4695.81,378.81 4838.59,378.81 4863.81,353.59 4863.81,337.19 5043.86,157.14 6107.32,157.14 6170.22,220.04 6170.22,305.79 6221.02,356.59 6460.43,356.59 6593,224.02 6593,190.08 6625.93,157.14 7440.14,157.14 7692.49,409.49 7958.08,409.49 7965.38,402.19 7982.62,402.19 7989.92,409.49 8021.06,409.49 8031.38,419.81 8069.38,419.81 8077.38,427.81 8094.62,427.81 8106.81,415.62 8106.81,410.6 8107.92,409.49 8129.56,409.49 8155.05,384 8186,384 8186.98,383.02 8455.57,383.02 8685.58,153 9399.21,153 9485.93,239.72 9485.93,239.95 9602.57,356.59 9767.51,356.59 9971.1,153 10748.98,153 10915.35,319.37 10915.35,354.33 10944.04,383.02 11283.61,383.02 11319.41,418.81 11346.59,418.81 11382.39,383.02 11481.48,383.02 11490.5,374 11547.5,374 11556.52,383.02 11776.91,383.02 11792,383 12017.86,157.14 12431.03,157.14 12454.75,180.86 12454.75,211.18 12486.38,242.81 12588.19,242.81 12662.83,168.17 12845.45,168.17 12868.39,191.1 12868.39,225.04 12963.93,320.59 13137.35,320.59 13143.04,314.9 13144.51,313.43 13202.75,255.19 13241.62,255.19 13254.62,268.19 13254.62,288.47 13320.34,354.19 14725.19,354.19 14796,425 v1(14812,425)
ADC_IN6: C73_5.1 IC1.20 J1_5.5 | length 11726.8
  Component Side w6: v1(6471,36) 6474.58,36 6502.3,63.72 C73_5.1@6504,63.72 ; IC1.20@14607.26,2078.53 14702.47,2078.53 14717.84,2063.16 14733.78,2063.16 14856.19,1940.75 14856.19,1924.72 14971,1809.91 14971,713.31 14826.81,569.12 14826.81,456.19 v1(14833,450)
  Signal Layer 1 w6: v1(13233,276) 13233,281.82 13232,282.82 13315.37,366.19 14718.19,366.19 14801,449 14832,449 v1(14833,450)
  Solder Side w6: J1_5.5@5741.34,197.64 J1_5.5@5760.71,197.64 5929.39,197.64 6000.03,127 6188,127 6209.19,105.81 6209.19,95.41 6286.23,18.37 6455.8,18.37 6534.81,97.38 6534.81,107.81 6554,127 7753.68,127 7915.68,289 8135.77,289 8333.77,91 9184,91 9201.17,108.17 9509.93,108.17 9607.13,10.97 9762.95,10.97 9860.15,108.17 10071.95,108.17 10168.93,11.19 12647.19,11.19 12677,41 12937.22,41 12959.85,18.37 13089.12,18.37 13218,147.25 13218,265 13230,277 13231,276 v1(13233,276)
ADC_IN7: C79_5.1 IC1.21 J1_5.10 | length 12039.4
  Component Side w6: v1(6242,109) 6242,74.86 C79_5.1@6242.38,74.48 ; IC1.21@14607.26,2098.21 14701.79,2098.21 14724.84,2075.16 14738.75,2075.16 14868.19,1945.72 14868.19,1929.69 14983,1814.88 14983,708.34 14838.81,564.15 14838.81,487.19 v1(14849,477)
  Signal Layer 1 w6: v1@13183.47,295.19 13221.62,295.19 13233.81,307.38 13233.81,309.14 13274.38,349.72 13281.92,349.72 13288.95,356.74 13288.95,364.28 13302.86,378.19 14713.22,378.19 14805.84,470.81 14842.81,470.81 v1(14849,477)
  Solder Side w6: J1_5.10@5715.79,275.59 5908.41,275.59 6026.86,157.14 6193.86,157.14 v1(6242,109) 6242,201.29 6325.3,284.59 6430.6,284.59 6558.05,157.14 7749.88,157.14 7823.83,231.09 7823.83,239.83 7897,313 8145.71,313 8343.71,115 9159,115 9176.17,132.17 9479.96,132.17 9632.39,284.59 9737.69,284.59 9890.12,132.17 10081.89,132.17 10135.06,79 11102.74,79 11316.93,293.19 11456.99,293.19 11714.99,35.19 12635.35,35.19 12671.17,71 12799.85,71 12904.39,175.53 12904.39,214.75 12994.64,305 13182.37,305 v1(13183.47,303.9)
ADC_IN8: C73_4.1 IC1.22 J1_4.5 | length 10259.9
  Component Side w6: v1(8119,356) 8119,372.68 8136,389.68 C73_4.1@8136,431.28 ; IC1.22@14607.26,2117.9 14712.98,2117.9 14880.19,1950.69 14880.19,1934.66 14995,1819.85 14995,703.37 14850.81,559.18 14850.81,525.19 v1(14868,508)
  Signal Layer 1 w6: v1(13191,340) 13246.37,340 13283.81,377.44 13283.81,381.38 13292.62,390.19 14706.62,390.19 14824.43,508 v1(14868,508)
  Solder Side w6: J1_4.5@7414.25,197.64 7419.28,197.64 7480.46,258.82 7480.46,299.12 7568.34,387 7946.63,387 7955.44,378.19 7992.56,378.19 8001.37,387 8022.57,387 8031.38,378.19 8048.62,378.19 8057.43,387 8059.6,387 8072.41,374.19 8100.81,374.19 v1(8119,356) 8119.68,356 8345.68,130 9155.25,130 9169.41,144.17 9474.99,144.17 9627.42,296.59 9742.66,296.59 9895.09,144.17 10086.86,144.17 10140.03,91 11075.97,91 11290.16,305.19 11461.96,305.19 11719.96,47.19 12630.38,47.19 12666.2,83 12794.88,83 12852.31,140.43 12852.31,140.85 12887.23,175.77 12887.23,275.23 12930.81,318.81 13146.38,318.81 13152.28,324.72 13175.72,324.72 v1(13191,340)
ADC_IN9: C79_4.1 IC1.13 J1_4.10 | length 10021.5
  Component Side w6: v1(8040,399) 8048,407 C79_4.1@8048,433.28 ; IC1.13@14607.26,1940.73 14648.9,1940.73 14656.44,1933.19 14725.56,1933.19 14733.1,1940.73 14768.33,1940.73 14796.19,1912.87 14796.19,1899.87 14911,1785.06 14911,738.17 14851.97,679.13 14754.13,679.13 14736,661 v1(14736,449)
  Signal Layer 1 w6: v1(13142,359) 13144.19,361.19 13250.59,361.19 13271.81,382.41 13271.81,386.35 13287.65,402.19 14680.19,402.19 14727,449 v1(14736,449)
  Solder Side w6: J1_4.10@7369.33,275.59 7439.96,275.59 7563.37,399 7951.6,399 7960.41,390.19 7987.59,390.19 7996.4,399 v1(8040,399) 8064.57,399 8077.38,386.19 8094.62,386.19 8103.62,395.19 8109.24,395.19 8139.81,364.62 8139.81,352.84 8349.65,143 9151.28,143 9164.44,156.17 9470.02,156.17 9622.45,308.59 9747.63,308.59 9900.06,156.17 10091.83,156.17 10145,103 11071,103 11285.19,317.19 11466.93,317.19 11724.93,59.19 12625.41,59.19 12661.22,95 12789.91,95 12840.31,145.4 12840.31,145.82 12875.23,180.74 12875.23,309.63 12875.6,310 12905.03,310 12925.84,330.81 13103.81,330.81 13134,361 13136,359 v1(13142,359)
ADC_IN10: C73_3.1 IC1.26 J1_3.5 | length 8539.2
  Component Side w6: v1(9698,403) 9699,404 C73_3.1@9699,430.28 ; IC1.26@14607.26,2196.64 v1(14664.36,2196.64) ; v1(14888,1973) 14892.19,1968.81 14892.19,1939.63 15007,1824.82 15007,698.4 14889,580.4 v1(14889,534)
  Signal Layer 1 w6: v1(13188,382) 13194.81,375.19 13247.62,375.19 13259.81,387.38 13259.81,391.32 13294.49,426 13295.69,426 13307.5,414.19 14656.19,414.19 14776,534 v1(14889,534)
  Solder Side w6: J1_3.5@9067.8,197.64 9072.82,197.64 9134,258.82 9134,282 9254.81,402.81 9825.76,402.81 9832.38,396.19 9849.62,396.19 9856.24,402.81 10090.19,402.81 10222,271 10222,169 10242,149 10253.03,149 10275.03,127 11060.77,127 11278.36,344.59 11287.04,344.59 11290.44,341.19 11476.87,341.19 11734.87,83.19 12615.47,83.19 12651.28,119 12779.97,119 12787,126.03 12787,126.38 12816.31,155.69 ; 12816.28,155.72 12851.23,190.68 12851.23,319.57 12865.66,334 12895.09,334 12915.9,354.81 13051.84,354.81 13062.19,365.16 13062.19,375.62 13075.38,388.81 13092.62,388.81 13104.24,377.19 13130.76,377.19 13133.38,379.81 13150.76,379.81 13153.38,377.19 13170.62,377.19 13181.72,388.28 v1(13188,382) ; v1(14664.36,2196.64) v1(14888,1973)